# Altium PCB PCB2.PcbDoc
Units mm, origin at the board's own origin, x right, y up, seen from the top; angles counter-clockwise.
Board outline 31.8 x 39 mm, 2 copper layers (Top Layer, Bottom Layer); 74 components, 60 nets, 229 pads, 13 vias.
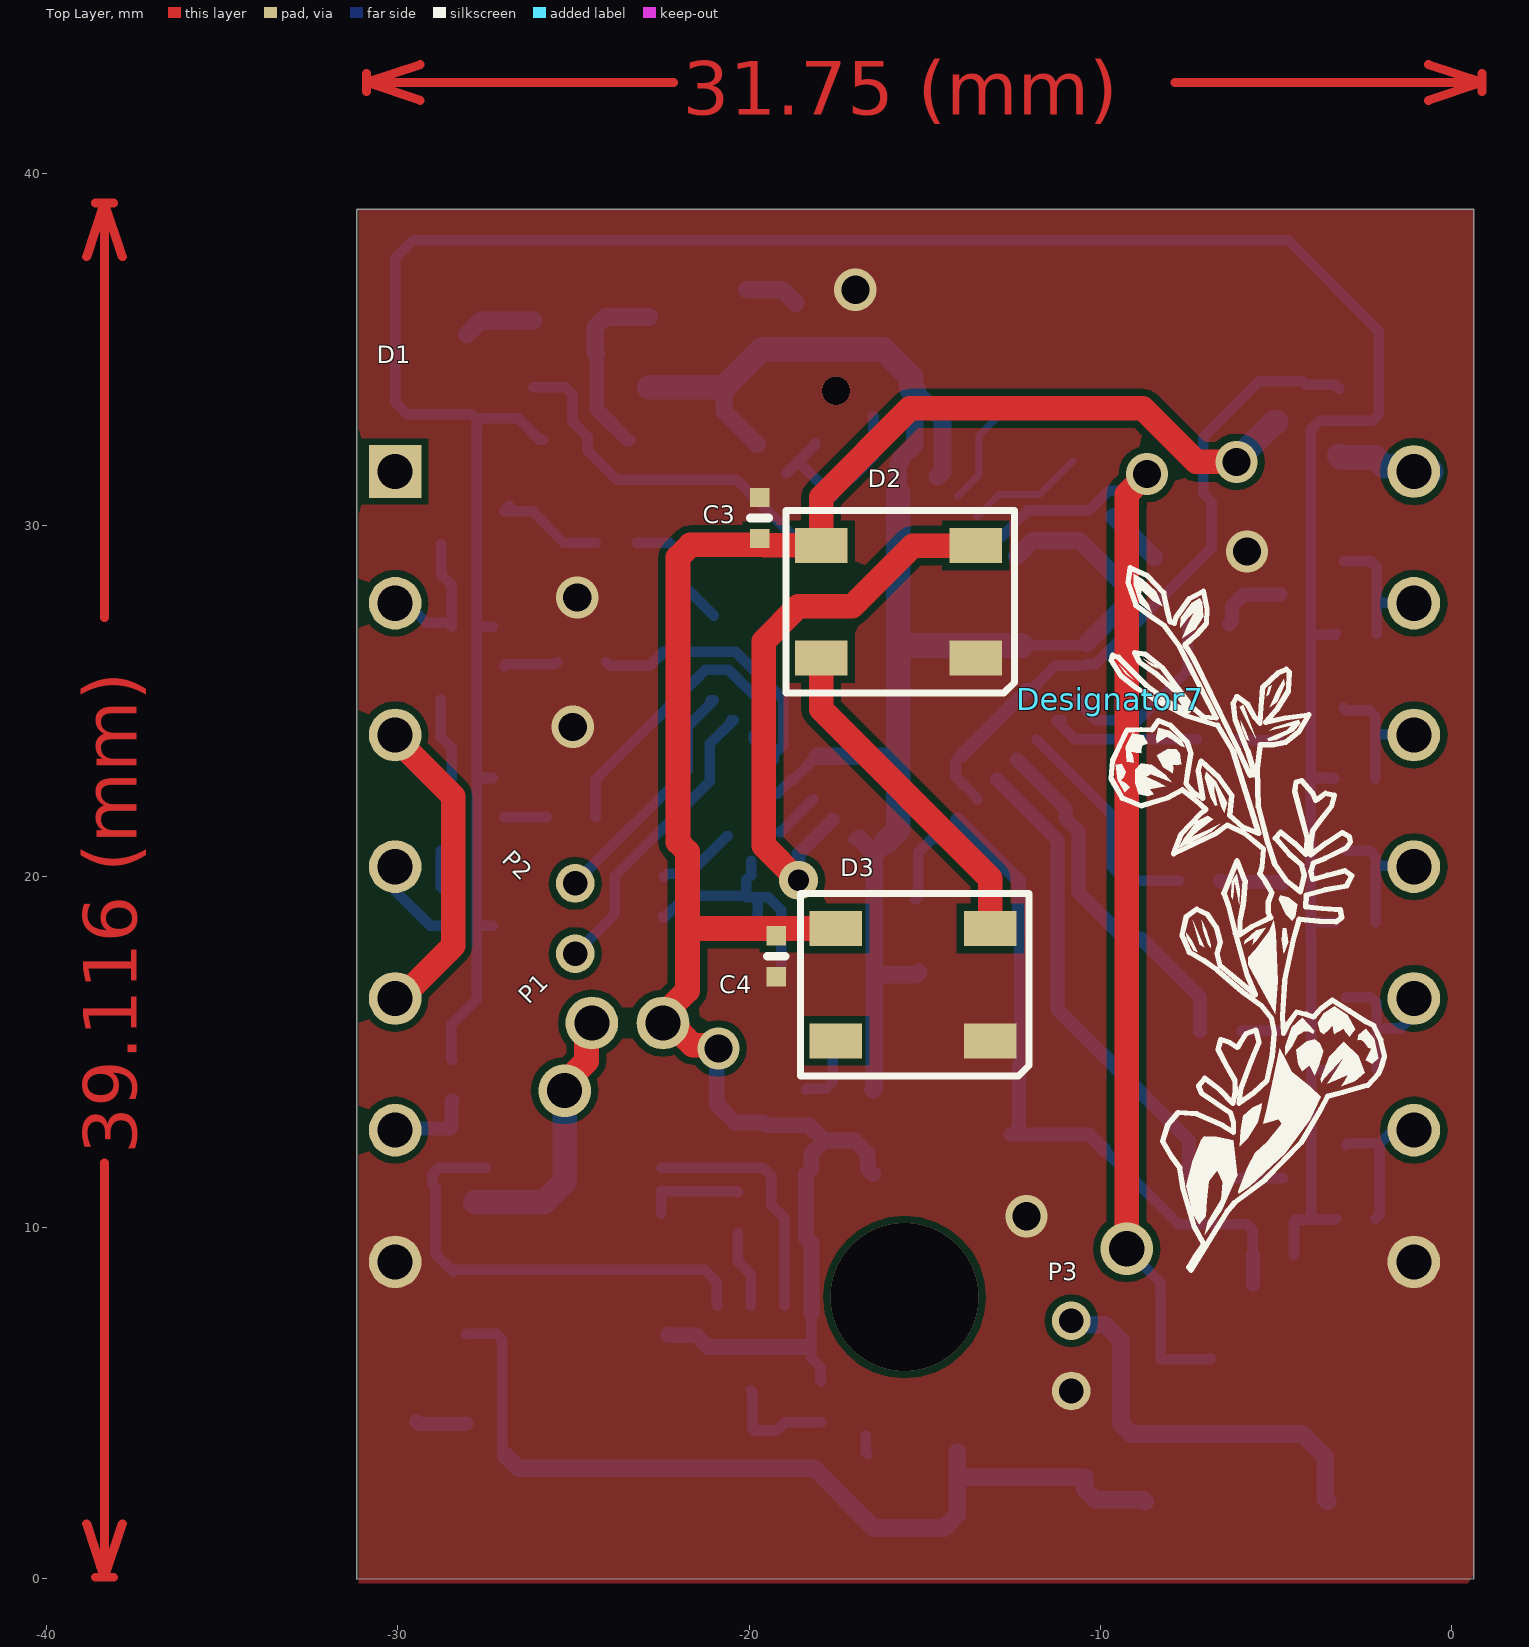
[diagram p0: Top Layer view]
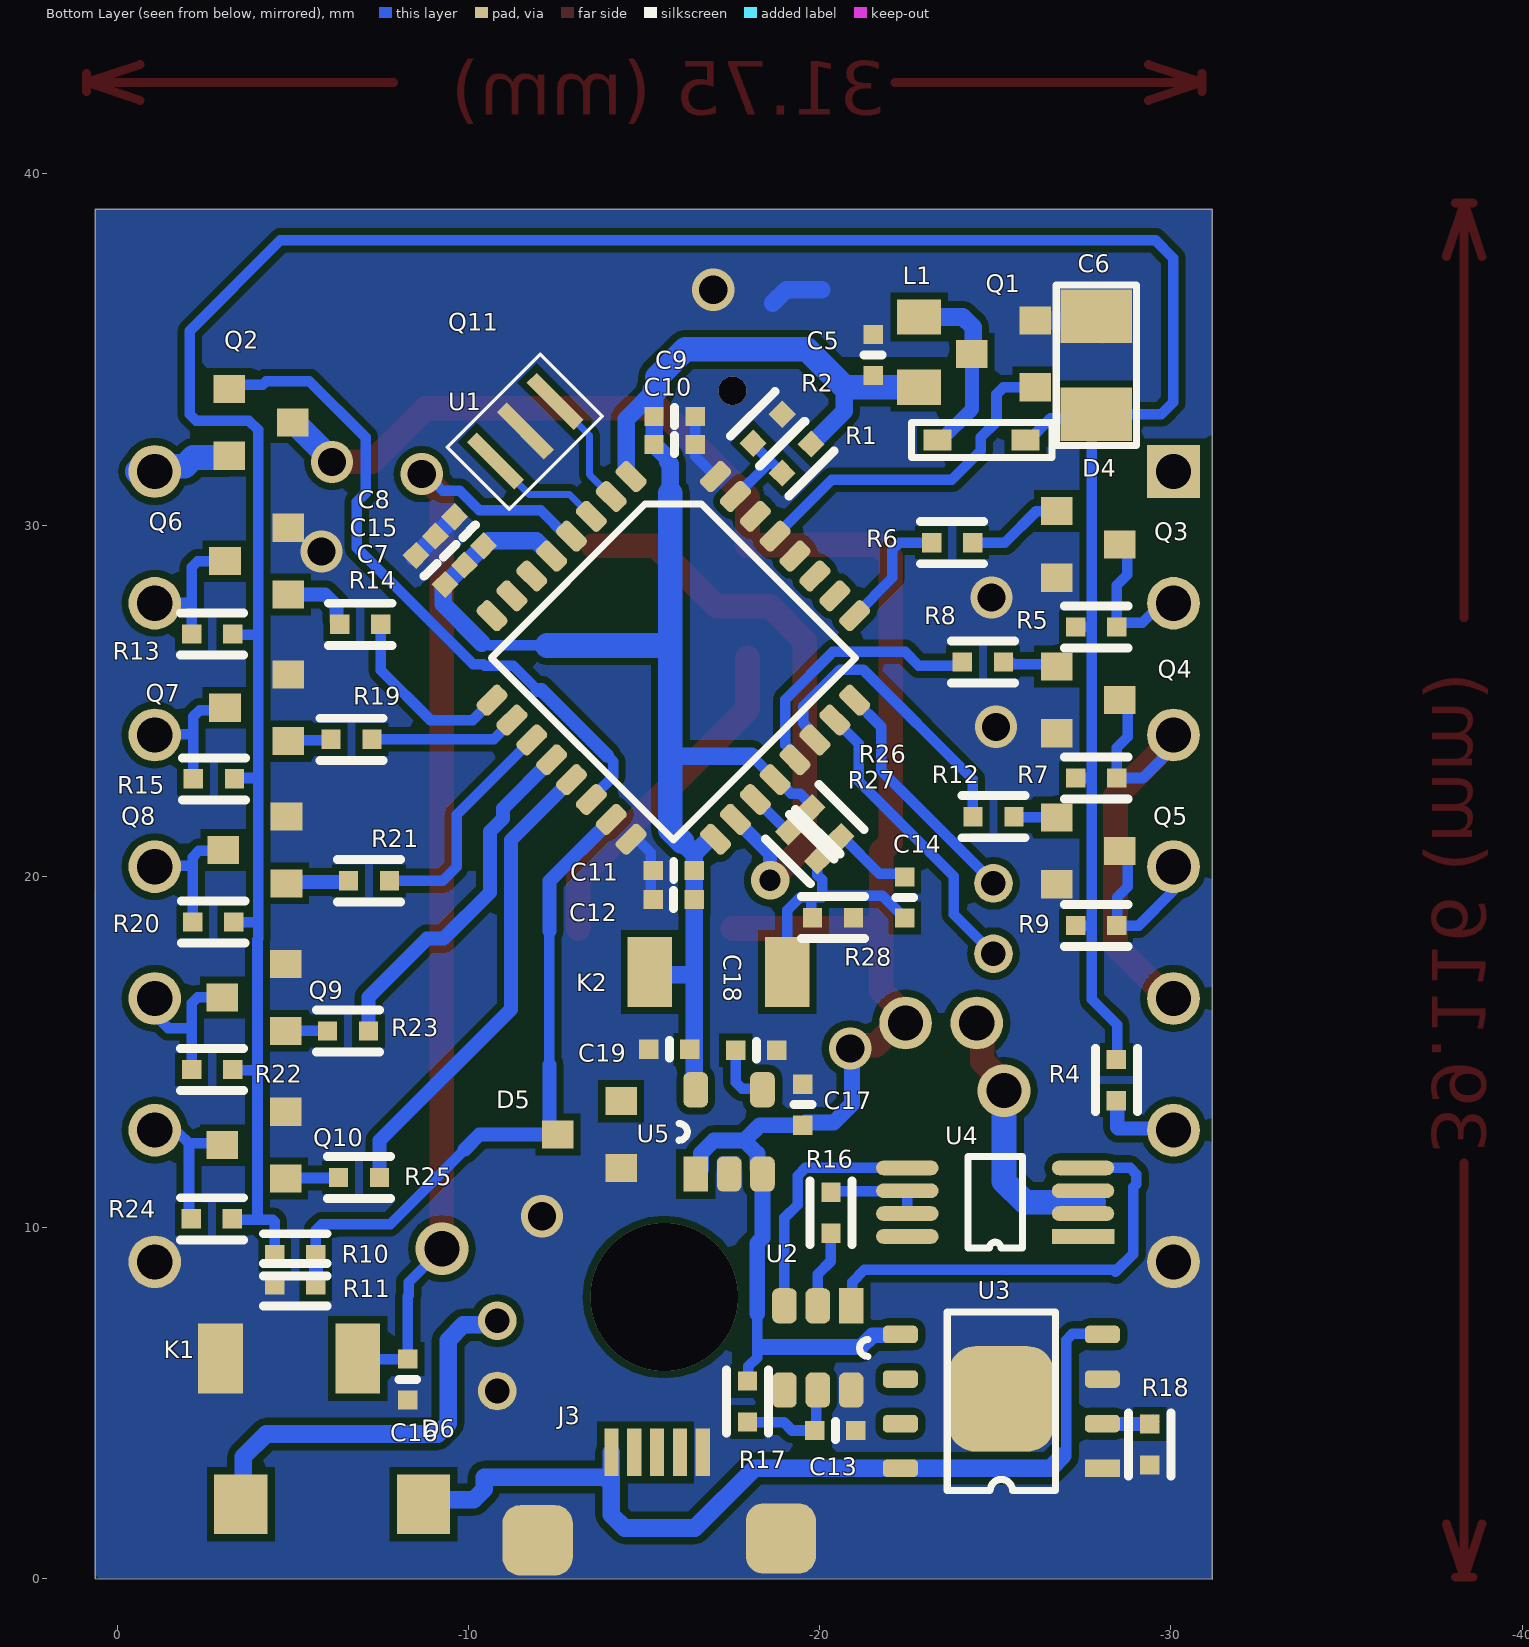
[diagram p1: Bottom Layer view, seen from below]
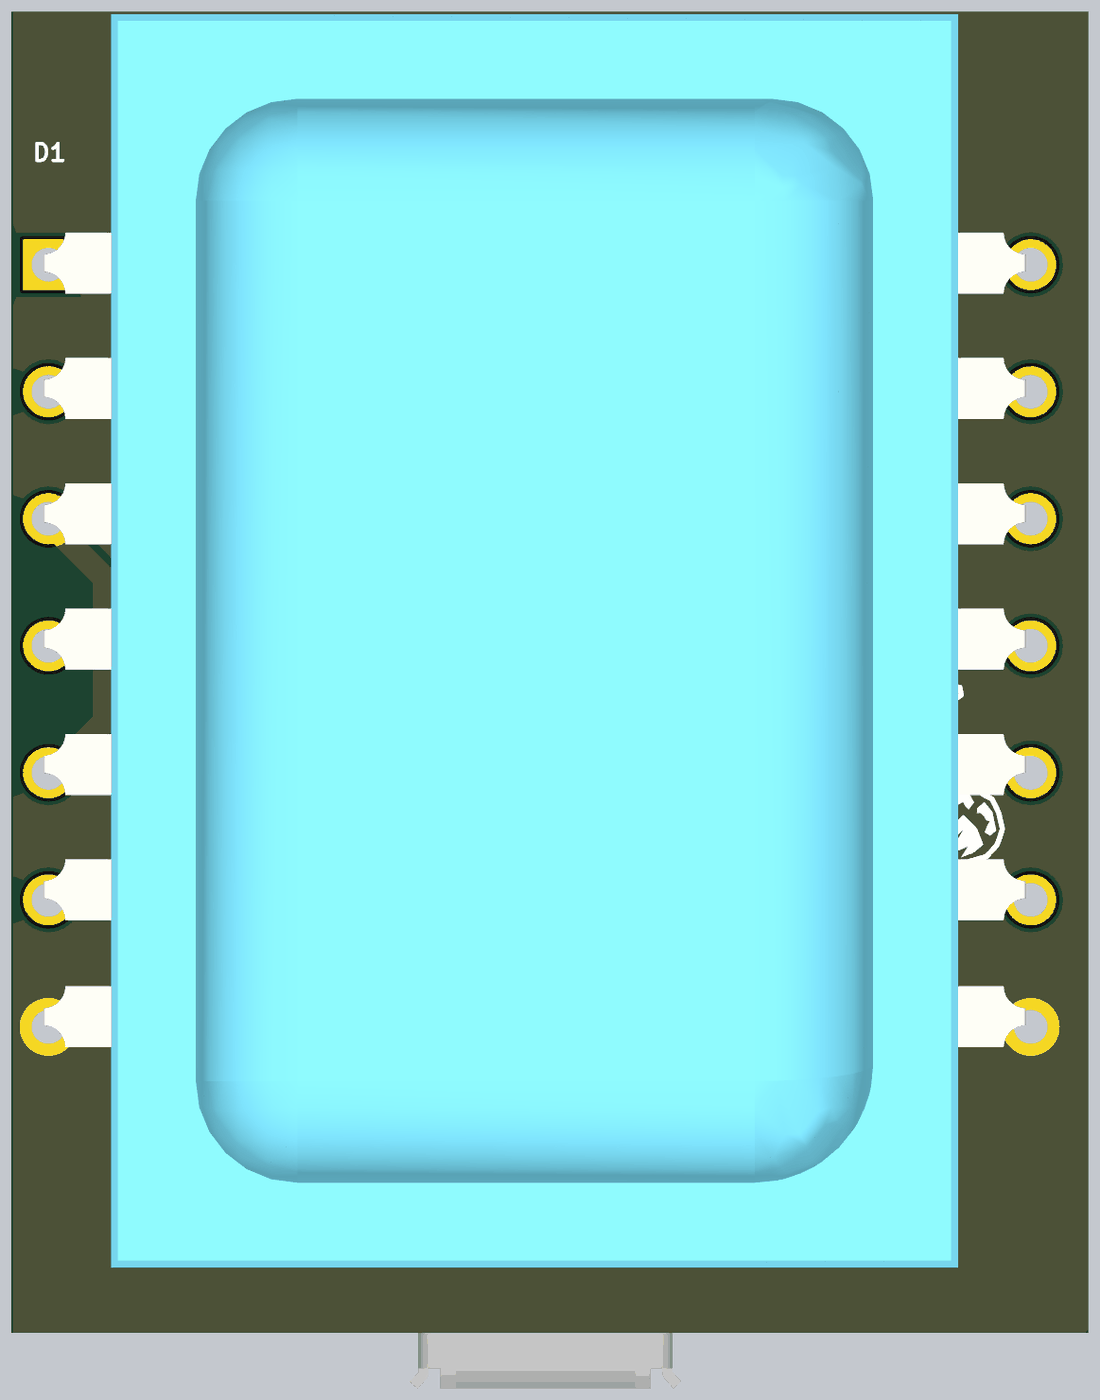
[diagram p2: 3D render of the assembled board from above, using the file's embedded part models]
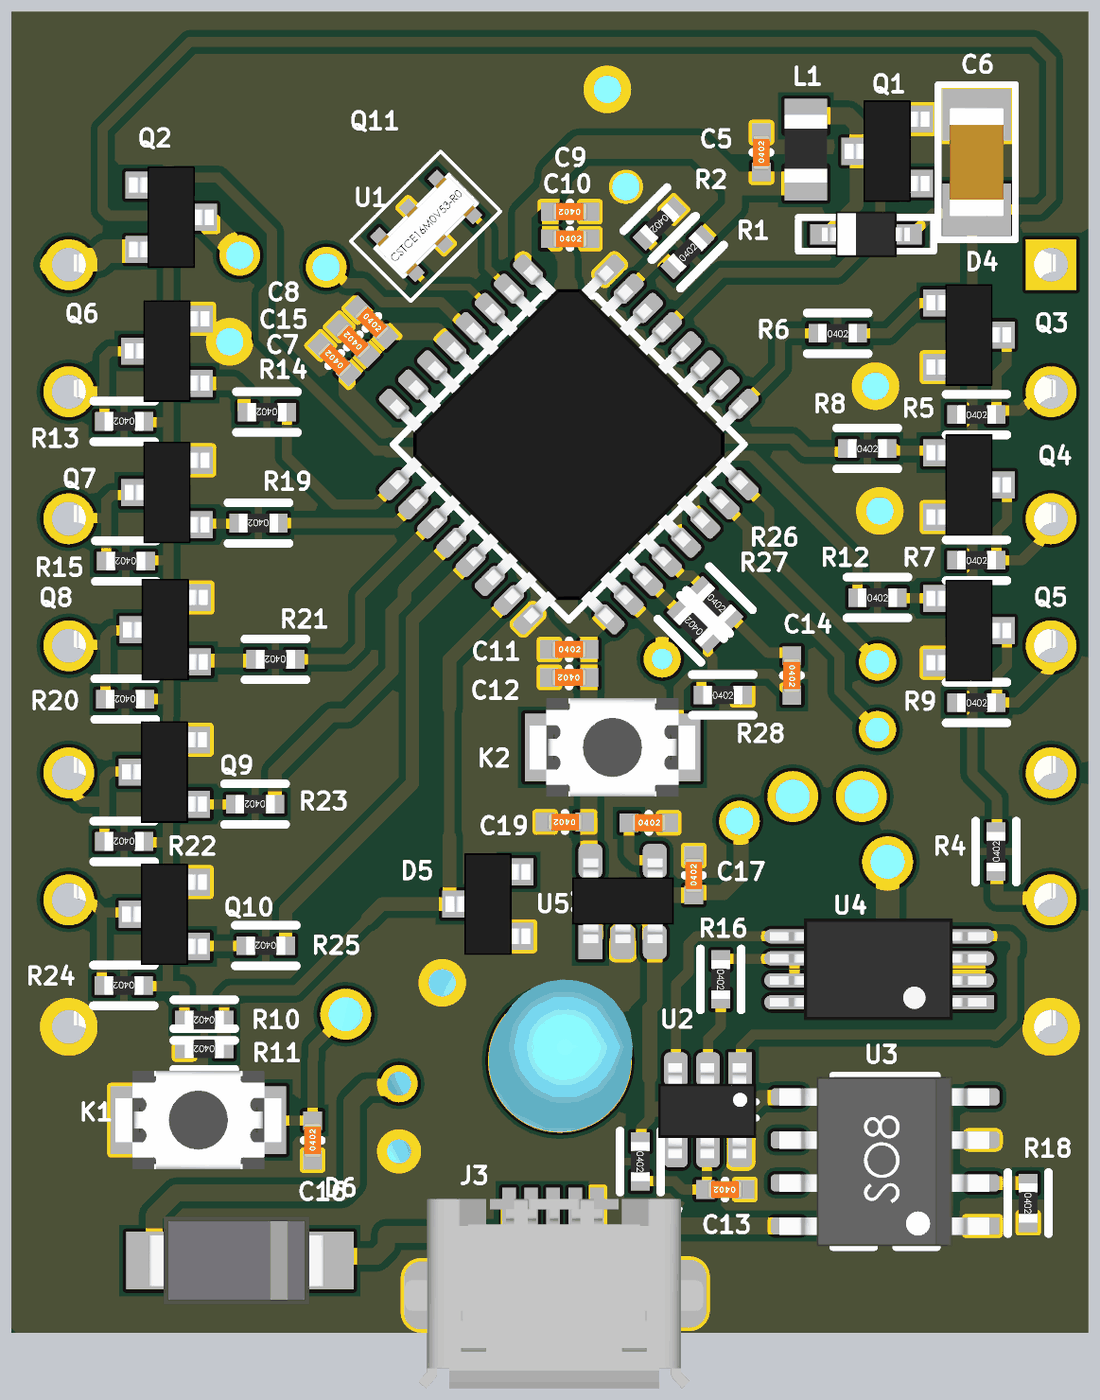
[diagram p3: 3D render of the assembled board from below, using the file's embedded part models]

## Layer stack, top to bottom
Top Solder: solder mask 0.0102, Solder Resist, Dk 3.5
Top Layer: signal copper 0.0356
Dielectric 1: dielectric 0.32, FR-4, Dk 4.8
Bottom Layer: signal copper 0.0356
Bottom Solder: solder mask 0.0102, Solder Resist, Dk 3.5

## Board outline
-31.175,1.619 -31.175,38.992 0.625,38.992 0.625,0 -31.175,-0.008

## Design rules (kind name [scope] priority, off if disabled: settings)
Clearance [All] p1: gap=0.2 ignorepadtopadclearanceinfootprint=FALSE
PolygonConnect 123 [All] p1: connectstyle=Direct reliefconductorwidth=0.254 reliefentries=4 polygonreliefangle="90 Angle" airgapwidth=0.254
PolygonConnect PolygonConnect_1 [All] p2: connectstyle=Relief reliefconductorwidth=0.254 reliefentries=4 polygonreliefangle="90 Angle" airgapwidth=0.254
RoutingVias [All] p1: holewidth=0.711 width=1.27 viastyle="Through Hole" minholewidth=0.711 minwidth=1.27 maxholewidth=0.711 maxwidth=1.27
SolderMaskExpansion [All] p1: expansion=0.102 istentingtop=FALSE
Width [All] p1: maxlimit=0.7 minlimit=0.152 preferedwidth=0.2 toplayer_minwidth=0.152 minimp=50.000000 maximp=50.000000 favimp=50.000000
30 further rules are at their usual default settings.

## Components (designator, comment, footprint, x,y, rotation, side; value= is the part's Value field where it differs from the comment)
C3 "C" SMD-0402C -19.7,30.2 r180 top
C4 "C" SMD-0402C -19.225,17.725 r180 top
C5 "1uF" SMD-0402C -21.525,34.841 r180 bottom
C6 "1uF" SMD-1206C -27.88,34.552 r0 bottom
C7 "10nF" SMD-0402C -10.025,29.825 r315 bottom
C8 "1uF" SMD-0402C -9.475,29.275 r135 bottom
C9 "100n" SMD-0402C -15.873,33.092 r90 bottom
C10 "1uF" SMD-0402C -15.873,32.292 r270 bottom
C11 "100n" SMD-0402C -15.848,20.167 r270 bottom
C12 "1uF" SMD-0402C -15.848,19.342 r90 bottom
C13 "0.1u" SMD-0402C -20.45,4.225 r90 bottom
C14 "100nF" SMD-0402C -22.425,19.4 r0 bottom
C15 "100pF" SMD-0402C -8.925,28.725 r135 bottom
C16 "100nF" SMD-0402C -8.275,5.675 r180 bottom
C17 "1uF" SMD-0402C -19.525,13.5 r180 bottom
C18 "10nF" SMD-0402C -18.2,15.05 r270 bottom
C19 "2.2uF" SMD-0402C -15.725,15.075 r90 bottom
D1 "ILC" ILC_1 -30.075,31.525 r0 top locked
D2 "WS2812b" WS2812B -17.948,29.417 r0 top
D3 "WS2812b" WS2812B -17.532,18.516 r0 top
D4 "S4" S4 -24.612,32.423 r180 bottom
D5 "Zener Diode" 2N7002 -13.45,12.575 r180 bottom
D6 "schottky" DO-214AC -6.125,2.125 r180 bottom
Designator7 "Comment" flowers -9.725,25.05 r270 top
J3 "MicroUSB" "MICRO USB" -14.075,3.6 r90 bottom
K1 "KEY" KEY -4.9,6.275 r0 bottom
K2 "KEY" KEY -17.125,17.275 r180 bottom
L1 "20uH" L_0805 -22.837,34.923 r90 bottom
P1 "Header 2" 2PIN_BATTARERY -24.375,15.825 r90 top
P2 "Header 2" 2PIN_CONNECTOR -24.95,17.8 r90 top
P3 "COIL" 2PIN_CONNECTOR -10.825,5.35 r90 top
Q1 "2n7002" 2N7002 -25.237,34.798 r180 bottom
Q2 "2n7002" 2N7002 -4.1,33 r0 bottom
Q3 "2N7002" 2N7002 -27.65,29.525 r0 bottom
Q4 "2N7002" 2N7002 -27.65,25.1 r0 bottom
Q5 "2N7002" 2N7002 -27.65,20.8 r0 bottom
Q6 "2N7002" 2N7002 -3.975,28.9 r180 bottom
Q7 "2N7002" 2N7002 -3.975,24.725 r180 bottom
Q8 "2N7002" 2N7002 -3.925,20.675 r180 bottom
Q9 "2N7002" 2N7002 -3.9,16.475 r180 bottom
Q10 "2N7002" 2N7002 -3.9,12.275 r180 bottom
Q11 "16MHz" "MURATA CERAMIC RESONATOR" -12.049,33.099 r315 bottom
R1 "0" SMD-0402-RES -19.348,31.892 r225 bottom
R2 "0" SMD-0402-RES -18.523,32.742 r45 bottom
R4 "1K" SMD-0402-RES -28.45,14.2 r180 bottom
R5 "200K" SMD-0402-RES -27.875,27.1 r270 bottom
R6 "150" SMD-0402-RES -23.775,29.5 r270 bottom
R7 "200K" SMD-0402-RES -27.875,22.8 r270 bottom
R8 "150" SMD-0402-RES -24.65,26.1 r270 bottom
R9 "200K" SMD-0402-RES -27.875,18.6 r270 bottom
R10 "200K" SMD-0402-RES -5.075,9.225 r90 bottom
R11 "20K" SMD-0402-RES -5.075,8.375 r90 bottom
R12 "150" SMD-0402-RES -24.95,21.7 r270 bottom
R13 "200K" SMD-0402-RES -2.709,26.9 r90 bottom
R14 "150" SMD-0402-RES -6.925,27.175 r90 bottom
R15 "200K" SMD-0402-RES -2.759,22.775 r90 bottom
R16 "1K" SMD-0402-RES -20.325,10.425 r0 bottom
R17 "100" SMD-0402-RES -17.95,5.05 r0 bottom
R18 "33K" SMD-0402-RES -29.4,3.825 r0 bottom
R19 "150" SMD-0402-RES -6.675,23.9 r90 bottom
R20 "200K" SMD-0402-RES -2.741,18.7 r90 bottom
R21 "150" SMD-0402-RES -7.175,19.875 r90 bottom
R22 "200K" SMD-0402-RES -2.709,14.5 r90 bottom
R23 "150" SMD-0402-RES -6.575,15.6 r90 bottom
R24 "200K" SMD-0402-RES -2.7,10.25 r90 bottom
R25 "150" SMD-0402-RES -6.891,11.425 r90 bottom
R26 "100R" SMD-0402-RES -20.2,21.55 r315 bottom
R27 "330R" SMD-0402-RES -19.525,20.85 r135 bottom
R28 "220K" SMD-0402-RES -20.384,18.825 r270 bottom
U1 "STM32F030K6TX" LQFP-32 -14.423,31.592 r225 bottom locked
U2 "DW01-P" SOT-23-6 -20.9,7.775 r270 bottom
U3 "TP4056" ? -28.05,3.15 r0 bottom
U4 "ML8205A" TSSOP-8 -27.5,9.75 r0 bottom
U5 "LP2985" SOT-23-5 -16.375,7.875 r90 bottom

## Footprints (in the part's own frame and the unit in brackets; to place one, negate y for a bottom-side part, rotate by r counter-clockwise, add the part's x,y. Pads: shape width x height; smd on the part's side, far side on the other; paste and mask are expansions set on the pad)
2N7002 [mm]
  rect 0.9x0.8 smd: 1(0.9,-0.875) 2(0.9,1.025) 3(-0.9,0.075)
  body extent -1.25,-1.43 1.25,1.57, height 1.01
2PIN_BATTARERY [mm]
  round 1.5 hole 1: 1(0,0.1) 2(0,-1.925)
2PIN_CONNECTOR [mm]
  round 1.1 hole 0.7: 1(0,0) 2(2,0)
DO-214AC [mm]
  rect 1.52x1.7 smd: A(-2.6,0) K(2.6,0)
  body extent -2.7,-1.3 2.5,1.3, height 2.42
flowers [mm]
  silkscreen extent -3.73,0.03 16.26,7.81
ILC_1 [mm]
  rect 1.5x1.5 hole 1: 1(0,0)
  round 1.5 hole 1: 2(0,-3.75) 3(0,-7.5) 4(0,-11.25) 5(0,-15) 6(0,-18.75) 7(0,-22.5) 8(29,-22.5) 9(29,-18.75) 10(29,-15) 11(29,-11.25) 12(29,-7.5) 13(29,-3.75) 14(29,0)
  body extent -0.15,-29.6 28.85,7.4, height 16.31
KEY [mm]
  rect 1.27x2 smd: 1(-1.955,0) 2(1.955,0)
  body extent -2.45,-1.45 2.45,1.45, height 2.01
L_0805 [mm]
  rect 1x1.25 smd: 1(-1,0) 2(1,0)
  body extent -0.97,-0.62 1.03,0.63, height 0.61
LQFP-32 [mm]
  rrect50% 0.9x0.5 smd: 1(0.3,0) 2(0.3,-0.8) 3(0.3,-1.6) 4(0.3,-2.4) 5(0.3,-3.2) 6(0.3,-4) 7(0.3,-4.8) 8(0.3,-5.6) 17(9.3,-5.6) 18(9.3,-4.8) 19(9.3,-4) 20(9.3,-3.2) 21(9.3,-2.4) 22(9.3,-1.6) 23(9.3,-0.8) 24(9.3,0)
  rrect50% 0.5x0.9 smd: 9(2,-7.3) 10(2.8,-7.3) 11(3.6,-7.3) 12(4.4,-7.3) 13(5.2,-7.3) 14(6,-7.3) 15(6.8,-7.3) 16(7.6,-7.3) 25(7.6,1.7) 26(6.8,1.7) 27(6,1.7) 28(5.2,1.7) 29(4.4,1.7) 30(3.6,1.7) 31(2.8,1.7) 32(2,1.7)
  silkscreen extent 1.14,-6.47 8.47,0.87, body extent 0.26,-7.34 9.34,1.74, height 1.39
"MICRO USB" [mm]
  rect 1.35x0.4 smd: 1(0,0) 2(0,-0.65) 3(0,-1.3) 4(0,-1.95) 5(0,-2.6)
  rrect50% 2x2 smd: 5(-2.5,2.1) 5(-2.45,-4.825)
  body extent -5.26,-5.73 0.34,3.07, height 2.76
"MURATA CERAMIC RESONATOR" [mm]
  rect 0.4x1.9 smd: 1(-0.6,0) 2(0.6,0) 3(1.8,0)
  silkscreen extent -1.25,-1.25 2.5,1.25, body extent -1,-0.65 2.2,0.65, height 0.91
S4 [mm]
  rect 0.8x0.6 smd: 1(-1.25,0) 2(1.25,0)
  silkscreen extent -2,-0.5 2,0.5, body extent -1.3,-0.67 1.3,0.68, height 1.1
SMD-0402-RES [mm]
  rect 0.55x0.55 smd: 1(0,0.584) 2(0,-0.584)
  silkscreen extent -0.6,-0.9 0.6,0.9, body extent -0.27,-0.57 0.28,0.58, height 0.41
SMD-0402C [mm]
  rect 0.55x0.55 smd: 1(0,0.584) 2(0,-0.584)
  silkscreen extent -0.25,0 0.25,0, body extent -0.25,-0.51 0.25,0.51, height 0.51
SMD-1206C [mil]
  rect 80x60 smd: 1(0,55) 2(0,-55)
  silkscreen extent -45,-90 45,90, body extent -31,-63 32,63, height 39
SOT-23-5 [mm]
  rect 1x0.7 smd: 1(3.65,-0.1)
  rrect50% 1x0.7 smd: 2(3.65,-1.05) 3(3.65,-2) 4(6.05,-2) 5(6.05,-0.1)
  silkscreen extent 4.61,0.14 5.09,0.38, body extent 3.62,-2.56 6.12,0.44, height 1.01
SOT-23-6 [mm]
  rect 1x0.7 smd: 1(0,0)
  rrect50% 1x0.7 smd: 2(0,-0.95) 3(0,-1.9) 4(2.4,-1.9) 5(2.4,-0.95) 6(2.4,0)
  silkscreen extent 0.96,0.24 1.44,0.48, body extent -0.18,-2.42 2.62,0.48, height 1.45
TSSOP-8 [mm]
  rect 1.78x0.42 smd: 1(0,0)
  oval 1.78x0.42 smd: 2(0,-0.65) 3(0,-1.3) 4(0,-1.95) 5(5,-1.95) 6(5,-1.3) 7(5,-0.65) 8(5,0)
  silkscreen extent 1.72,-2.28 3.28,0.33, body extent -0.68,-2.47 5.72,0.53, height 1.21
WS2812B [mm]
  rect 1.5x1 smd: 1(0,0) 2(0,-3.2) 3(4.4,-3.2) 4(4.4,0)
  silkscreen extent -1,-4.2 5.5,1, body extent -0.5,-4.1 4.9,0.9, height 1.58
? [mm]
  rect 1x0.5 smd: 1(0,0)
  rrect50% 3x3 smd: 1(2.875,-1.975)
  rrect50% 1x0.5 smd: 2(0,-1.27) 3(0,-2.54) 4(0,-3.81) 5(5.75,-3.81) 6(5.75,-2.54) 7(5.75,-1.27) 8(5.75,0)
  silkscreen extent 1.33,-4.44 4.42,0.64, body extent -0.2,-4.4 6,0.6, height 1.66

## Part data
C3 C4 C5 C6 C7 C8 C9 C10 C11 C12 C13 C14 C15 C16 C17 C18 C19: library part С
D1: library part ILC-1.9
D4: library part Diode
D5: library part BZX84
D6: library part SS14
J3: library part Micro_USB_female
L1: library part L
P1 P2: "Header, 2-Pin", LatestRevisionDate=17-Jul-2002, LatestRevisionNote="Re-released for DXP Platform.", Publisher="Altium Limited"
P3: library part "Header 2", "Header, 2-Pin", LatestRevisionDate=17-Jul-2002, LatestRevisionNote="Re-released for DXP Platform.", Publisher="Altium Limited"
Q3 Q4 Q5 Q6 Q7 Q8 Q9 Q10: library part 2n7002
Q11: library part Crystal_3
R1 R2 R4 R5 R6 R7 R8 R9 R10 R11 R12 R13 R14 R15 R16 R17 R18 R19 R20 R21 R22 R23 R24 R25 R26 R27 R28: library part R
U2: "The DW01-P battery protection IC is designed to / protect lithium-ion/polymer battery from damage or / degrading the lifetime due to overcharge, / overdischarge, and/or overcurrent for one-cell / lithium-ion/polymer battery powered systems, such as / cellular phones."
U3: "1A Standalone Linear Li-lon Battery Charger with Thermal / Regulation in SOP-8"
U4: "The ML8205A uses advanced trench technology to"

## Via types
v1: diameter 1.2, hole 0.8, Top Layer to Bottom Layer, 8 vias
v2: diameter 1.5, hole 1, Top Layer to Bottom Layer, 2 vias
v3: diameter 0.8, hole 0.8, Top Layer to Bottom Layer, 1 vias
v4: diameter 1.1, hole 0.6, Top Layer to Bottom Layer, 1 vias
v5: diameter 4.2, hole 4.2, Top Layer to Bottom Layer, 1 vias

## Nets (pads, with @x,y where several pads share a name; then routed paths per layer and width w, separated by ;. In a path a pad name is that pad's centre, name@x,y a point inside that pad or via, vN(x,y) a via of type N, cw(c..) or ccw(c..) an arc to the next point about the centre after c; other vN are vias at no path point)
20V: C6.1 D4.2 R4.1 R5.2 R7.2 R9.2 R10.1 R13.2 R15.2 R20.2 R22.2 R24.2 | length 89.9
  Bottom Layer w0.3: R4.1 -28.475,14.809 -28.475,15.775 -27.75,16.5 -27.75,18.6 ; C6.1@-27.677,32.952 -27.592,33.037 -26.575,33.037 -25.962,32.423 D4.2 ; R9.2 -27.75,18.6 ; R7.2 -27.75,22.8 ; R5.2 -27.75,27.1 ; R10.1 -4.487,9.228 -4.487,10.172 -4.434,10.225 -4,10.225 ; -4.016,18.75 -4.016,22.8 ; R15.2 -3.368,22.8 -4.016,22.8 ; R20.2 -4.016,18.7 -4.016,18.234 -4.025,18.225 -4,18.2 -4,14.475 ; R22.2 -3.318,14.475 -4,14.475 ; R13.2 -3.318,26.875 -4.016,26.875 ; R24.2 -3.309,10.225 -4,10.225 ; -27.75,18.6 -27.75,22.8 ; -27.75,22.8 -27.75,27.1 ; -27.75,27.1 -27.75,33.025 C6.1 -29.729,33.155 -30.074,33.5 -30.074,37.592 -29.563,38.103 -4.653,38.103 -2.075,35.525 -2.075,33.151 -2.251,32.975 -3.75,32.975 -4.016,32.709 -4.016,26.875 ; -4.016,22.8 -4.016,26.875 ; -4,10.225 -4,14.475
"20v step": Q1.1 U1.29 | length 9.8
  Bottom Layer w0.3: Q1.1 -25.237,33.923 -25.037,33.723 -25.037,32.948 -24.587,32.498 -24.587,32.111 -23.768,31.293 -20.346,31.293 U1.29
20V_control: D5.3 R10.2 R11.2 U1.15 | length 21.1
  Bottom Layer w0.3: D5.3@-12.311,12.85 -12.311,18.45 ; -9.9,12.225 -7.775,10.1 -5.835,10.1 -5.659,9.924 R10.2
  Bottom Layer w0.4: U1.15 -12.311,19.863 -12.311,18.45 ; D5.3 D5.3@-12.511,12.65 ; -12.311,14.636 -12.311,12.85 D5.3@-12.511,12.65 ; -9.9,12.225 -10.325,12.65 D5.3@-12.511,12.65 ; R11.2 R10.2
A: D1.2 Q3.3 R5.1 | length 4.3
  Bottom Layer w0.3: D1.2@-30.044,27.661 -30.048,27.657 -29.622,27.657 -29.184,27.219 -28.578,27.219 R5.1 -28.459,28.284 -28.759,28.584 -28.759,29.434 Q3.3@-28.775,29.45
a_in: R6.2 U1.25 | length 3.5
  Bottom Layer w0.3: R6.2 -22.275,29.5 -22.075,29.3 -22.075,28.496 U1.25
B: D1.3 D1.5 Q4.3 R7.1 | length 12.7
  Top Layer w0.7: D1.5@-30.048,16.407 -28.425,18.03 -28.425,22.284 D1.3@-30.048,23.907
  Bottom Layer w0.3: -29.748,23.342 -29.206,22.8 R7.1 -28.459,23.664 -28.775,23.98 Q4.3@-28.775,25.025
B+: C3.1 C4.2 C17.2 D2.1 D3.1 P1.2 Q2.3 R17.2 U3.5 U5.1 U5.3 | length 59.2
  Top Layer w0.7: v1(-20.875,15.1) -20.971,15.196 -21.604,15.196 -22.234,15.825 P1.2 -22.45,16.041 -21.753,16.738 -21.753,18.618 ; D3.1 -21.651,18.516 -21.753,18.618 ; v1(-6.125,31.8) -7.264,31.8 -8.789,33.325 -15.418,33.325 -17.948,30.795 D2.1 -17.959,29.428 -19.573,29.428 -19.584,29.439 -21.667,29.439 -22.022,29.083 -22.022,20.966 -21.753,20.697 -21.753,18.618
  Bottom Layer w0.2: -18.391,6.6 -18.225,6.434
  Bottom Layer w0.3: -18.225,7.55 -18.225,6.434 -18.225,6.3 -17.975,6.05 -17.975,5.659 R17.2
  Bottom Layer w0.45: U3.5 -22.275,6.935 -21.511,6.935 -21.176,6.6 -18.391,6.6 ; v1(-20.875,15.1) -20.92,15.055 -20.92,13.511 -20.4,12.991 -19.6,12.991 C17.2 -18.297,12.916 -17.861,12.479 ; -18.225,7.55 -18.225,9.556 -18.375,9.706 U5.3 -18.229,11.671 -18.229,12.111 -17.861,12.479 ; U5.1 -16.621,11.671 -16.621,12.111 -16.989,12.479 -17.861,12.479
  Bottom Layer w0.7: v1(-6.125,31.8) -6.125,31.85 -5.05,32.925 Q2.3
B-: P1.1 U4.2 U4.3 | length 7.9
  Top Layer w0.7: v2@-25.25,13.575 -25.25,14.116 -24.628,14.738 -24.628,15.672 P1.1
  Bottom Layer w0.7: -27.8,10.725 -25.85,10.725 -25.25,11.325 v2(-25.25,13.9)
b_in: R8.2 U1.21 | length 7.6
  Bottom Layer w0.3: R8.2 -23.966,26 -22.825,26 -22.437,26.388 -20.38,26.388 -19.021,25.029 -19.021,23.742 -19.302,23.46 U1.21
BOOT: R1.2 R2.1 U1.31 | length 2.6
  Bottom Layer w0.3: R1.2 -18.523,31.892 ; R2.1 -18.11,32.304 -18.523,31.892 ; U1.31 -18.523,31.732 -18.523,31.892
C: D1.4 Q5.3 R9.1 | length 4.3
  Bottom Layer w0.3: D1.4@-30.073,19.592 -29.081,18.6 R9.1 -28.475,18.616 -28.475,19.4 -28.775,19.7 Q5.3@-28.775,20.725
c_in: R12.2 U1.22 | length 8.7
  Bottom Layer w0.3: R12.2 -24.366,22.759 -21.237,25.888 -20.587,25.888 -19.542,24.843 -19.542,24.352 -19.868,24.026 U1.22
CHRG: U3.7
D: D1.13 Q6.3 R13.1 | length 4.5
  Bottom Layer w0.3: Q6.3 -2.301,28.975 -2.125,28.799 -2.125,27.85 ; R13.1 -2.125,27.85 ; D1.13@-0.575,27.785 -2.06,27.785 -2.125,27.85
d_in: R14.2 U1.9 | length 5.6
  Bottom Layer w0.3: U1.9@-10.434,24.916 -10.534,25.016 U1.9 -10.676,25.001 -10.125,24.45 -8.925,24.45 -7.509,25.866 R14.2
E: D1.12 Q7.3 R15.1 | length 4.4
  Bottom Layer w0.3: Q7.3 -3,24.725 -2.35,24.725 -2.175,24.55 -2.175,24.025 ; R15.1 -2.175,24.025 ; D1.12@-0.575,24.045 -2.155,24.045 -2.175,24.025
e_in: R19.2 U1.10 | length 4.4
  Bottom Layer w0.3: U1.10@-11.1,24.45 U1.10 -11.241,24.416 -10.725,23.9 R19.2
F: D1.11 Q8.3 R20.1 | length 4.4
  Bottom Layer w0.3: Q8.3 -3,20.725 -2.332,20.725 -2.157,20.549 -2.157,20.25 ; R20.1 -2.157,20.25 ; D1.11@-0.575,20.305 -2.102,20.305 -2.157,20.25
f_in: R21.2 U1.11 | length 6.6
  Bottom Layer w0.3: U1.11 -9.675,21.753 -9.675,20.275 -9.275,19.875 R21.2
G: D1.10 Q9.3 R22.1 | length 4.8
  Bottom Layer w0.3: Q9.3 -2.992,16.557 -2.3,16.557 -2.125,16.382 -2.125,15.675 ; R22.1 -2.125,15.675 ; D1.10@-0.575,16.565 -1.465,15.675 -2.125,15.675
g_in: R23.2 U1.12 | length 10.2
  Bottom Layer w0.4: U1.12 -10.989,21.936 -10.989,21.653 -10.617,21.281 -10.617,19.542 -9.3,18.225 -8.825,18.225 -7.159,16.559 R23.2
GND: C3.2 C4.1 C5.1 C6.2 C7.2 C8.1 C9.2 C10.1 C11.2 C12.1 C13.2 C15.1 C16.2 C17.1 C18.1 C19.1 D1.7 D1.8 D2.3 D3.3 D5.1 J3.5 K1.2 P3.1 Q1.2 Q3.2 Q4.2 Q5.2 Q6.2 Q7.2 Q8.2 Q9.2 Q10.2 Q11.2 R2.2 R11.1 R18.1 R28.1 U1.16 U1.32 U2.6 U3.1 U3.3 U5.2 | length 9.9
  Bottom Layer w0.3: U1.32 -16.457,31.962 C9.2 C9.2@-16.473,33.108 ; J3.5@-16.675,4.075 -16.675,3.6 J3.5@-16.629,3.554 ; C12.1 -15.19,19.417 -15.19,20.676 -14.793,21.072 -14.651,21.072 U1.16
  Bottom Layer w0.5: C6.2@-28.037,35.42 -27.634,35.823 Q1.2 ; -20.066,36.703 -19.05,36.703 -18.669,36.322 ; C7.2 C15.1@-8.462,29.088
  other v1: -12.1,10.325 -25.019,24.257 -24.892,27.94 -5.825,29.25 -16.975,36.7
  other v3: -17.525,33.825
H: D1.9 Q10.3 R24.1 | length 4.8
  Bottom Layer w0.3: Q10.3 -2.95,12.4 -2.05,12.4 ; R24.1@-2.175,10.25 -2.05,10.375 -2.05,12.4 ; D1.9@-0.575,12.825 -0.725,12.675 -1.775,12.675 -2.05,12.4
h_in: R25.2 U1.13 | length 13.6
  Bottom Layer w0.4: U1.13 -11.217,21.033 -11.217,16.217 -7.475,12.475 R25.2
heat: Q2.1 U1.14 | length 19
  Bottom Layer w0.3: -13.945,23.444 -13.947,23.444 -14.123,23.268 -14.123,22.842 -13.504,22.223 U1.14 ; -11.975,25.3 -11.285,25.99 -10.475,25.99 -10.421,26.044 -10.137,26.044 -6.825,29.356 -6.825,30.659 -7.075,30.909 -7.075,32.5 -5.475,34.1 -4.25,34.1 -4.15,34 -3.325,34 Q2.1
  Bottom Layer w0.4: -13.945,23.444 -12.089,25.3 -11.975,25.3
HEAT_PIN: D1.14 Q2.2 | length 2.8
  Bottom Layer w0.7: Q2.2 -3.15,31.925 -2.175,31.925 -1.928,31.678 -0.728,31.678 D1.14@-0.575,31.525
MISO: U1.28
NetC13_1: C13.1 R17.1 U2.5 | length 3.2
  Bottom Layer w0.3: U2.5 -19.908,5.333 -19.908,4.267 C13.1 -19.216,4.225 -18.975,4.466 R17.1
NetC14_1: C14.1 K2.2 R27.2 R28.2 | length 7.3
  Bottom Layer w0.3: C14.1@-22.462,18.853 C14.1 -21.791,19.45 -20.116,19.45 -20.075,19.409 ; R27.2 -19.938,20.037 -20.075,19.9 -20.075,19.409 ; R28.2 -19.758,18.867 -19.758,19.4 ; K2.2 -19.08,19.03 -19.45,19.4 -19.758,19.4 ; -20.075,19.409 -20.066,19.4 -19.758,19.4
NetC14_2: C14.2 R26.1 | length 2.3
  Bottom Layer w0.3: C14.2 -22.334,20.075 -21.7,20.075 -20.638,21.137 R26.1
NetC18_2: C18.2 U5.4 | length 1.8
  Bottom Layer w0.3: U5.4 -18.35,13.95 -17.8,13.95 -17.616,14.134 C18.2
NetD1_6: D1.6 R4.2 | length 2.4
  Bottom Layer w0.4: D1.6@-30.075,12.825 -28.5,12.825 -28.475,12.85 -28.475,13.591 R4.2 R4.2@-28.446,13.612
NetD2_2: D2.2 D3.4 | length 9.7
  Top Layer w0.7: D2.2 -17.948,24.755 -13.132,19.939 D3.4
NetD4_1: D4.1 L1.2 Q1.3 | length 5.3
  Bottom Layer w0.3: D4.1@-23.462,32.423 D4.1
  Bottom Layer w0.4: Q1.3 -24.337,33.298 D4.1@-23.462,32.423
  Bottom Layer w0.5: Q1.3 -24.375,34.912 -24.375,35.631 -24.082,35.923 L1.2
NetD6_A: D6.A P3.2 | length 11.5
  Bottom Layer w0.5: P3.2 -10.71,7.235 -9.86,7.235 -9.425,6.8 -9.425,4.425 -9.125,4.125 -4.25,4.125 -3.6,3.475 -3.6,2.275 D6.A@-3.525,2.2
NetD6_K: D6.K J3.1 U3.4 U3.8 | length 26
  Bottom Layer w0.3: U3.4 -28.035,6.975 -27.201,6.975 -27.025,6.799 -27.025,3.6 -26.925,3.5
  Bottom Layer w0.5: -26.925,3.5 -26.575,3.15 U3.8 -18.15,3.15 -16.45,1.45 -14.45,1.45 -14.075,1.825 -14.075,2.713 ; J3.1 -14.075,2.9 -14.075,2.713 ; D6.K@-8.725,2.2 -8.775,2.25 -10.15,2.25 -10.45,2.55 -10.45,2.9 -12.169,2.9 -13.888,2.9 -14.075,2.713
NetQ3_1: Q3.1 R6.1 | length 3.2
  Bottom Layer w0.3: Q3.1@-26.825,30.55 -26.975,30.4 -26.825,30.4 -26.175,30.4 -25.275,29.5 R6.1
NetQ4_1: Q4.1 R8.1 | length 1.6
  Bottom Layer w0.3: Q4.1@-26.975,25.975 -26.913,26.038 -25.522,26.038 R8.1@-25.459,26.1
NetQ5_1: Q5.1 R12.1 | length 1.2
  Bottom Layer w0.3: Q5.1@-26.975,21.675 -26.963,21.688 -25.772,21.688 R12.1@-25.759,21.7
NetQ6_1: Q6.1 R14.1 | length 2.1
  Bottom Layer w0.4: R14.1 -6.25,27.266 -6.25,27.7 -5.925,28.025 Q6.1
NetQ7_1: Q7.1 R19.1 | length 1.2
  Bottom Layer w0.3: R19.1 -6.066,23.875 -4.9,23.875 Q7.1
NetQ8_1: Q8.1 R21.1 | length 1.8
  Bottom Layer w0.4: R21.1 -6.553,19.837 -4.862,19.837 Q8.1
NetQ9_1: Q9.1 R23.1 | length 1.2
  Bottom Layer w0.3: R23.1 Q9.1
NetQ10_1: Q10.1 R25.1 | length 1.5
  Bottom Layer w0.3: R25.1 -6.294,11.412 -4.812,11.412 Q10.1
NetR16_1: R16.1 U2.2 | length 2.2
  Bottom Layer w0.3: R16.1 -20.325,9.05 -19.95,8.675 U2.2
NetR16_2: R16.2 U4.6 U4.7 | length 2.9
  Bottom Layer w0.3: U4.7 U4.6 ; U4.6@-22.477,11.027 U4.6 ; R16.2 -20.345,11.03 -22.48,11.03 U4.6
NetR18_2: R18.2 U3.2 | length 1.5
  Bottom Layer w0.4: R18.2@-29.475,4.484 R18.2 -29.395,4.415 -28.055,4.415 U3.2
NetU2_1: U2.1 U4.4 | length 13
  Bottom Layer w0.3: U4.4 -28.84,11.7 -29.016,11.524 -29.016,11.241 -28.925,11.15 -28.925,9.25 -28.425,8.75 -28.375,8.8 -21.275,8.8 -20.925,8.45 -20.925,7.8 U2.1
NetU2_3: U2.3 U4.5 | length 7.1
  Bottom Layer w0.3: U4.5 -19.6,11.7 -19.375,11.475 -19.375,10.65 -19,10.275 U2.3
RCC_1: Q11.1 U1.2 | length 3.4
  Bottom Layer w0.2: U1.2 -13.45,31.434 -13.45,32.547 Q11.1
RCC_2: Q11.3 U1.3 | length 3.4
  Bottom Layer w0.2: U1.3 -12.886,30.867 -11.736,30.867 Q11.3
RST: C16.1 K1.1 U1.4 | length 32.5
  Top Layer w0.7: v2(-9.25,9.4) -9.25,30.875 v1(-8.675,31.45)
  Bottom Layer w0.3: U1.4 -12.797,29.683 -12.063,30.417 -10.317,30.417 -9.757,30.977 -9.269,30.977 v1@-8.55,31.696 ; v2(-9.25,9.4) -8.3,8.45 -8.3,8.075 -8.275,8.05 C16.1 -6.871,6.259 K1.1
SPI_MOSI: U1.27
SPI_SCK: U1.26
STDBY: U3.6
TCK/SWCLK: P2.2 U1.24 | length 6.9
  Bottom Layer w0.3: P2.2 -24.95,19.825 -21.75,23.025 -21.75,24.265 U1.24 U1.24@-21.085,25.016
TMS/SWDIO: P2.1 U1.23 | length 8.6
  Bottom Layer w0.3: P2.1 -23.825,18.925 -23.825,20 -21.114,22.711 -21.114,23.77 U1.23 U1.23@-20.501,24.45
User_key: R27.1 U1.19 | length 1.3
  Bottom Layer w0.3: R27.1 -19.104,21.263 -18.179,22.188 U1.19
VCC: C5.2 C7.1 C8.2 C9.1 C10.2 C11.1 C12.2 C15.2 C19.2 K2.1 L1.1 R1.1 R26.2 U1.1 U1.5 U1.17 U1.20 U5.5 | length 51.7
  Bottom Layer w0.3: R26.2 -19.787,22.012 -19.449,22.349 -19.201,22.349 -18.797,22.753 U1.20 -18.065,23.425 ; U1.17 -17.011,21.085 U1.17@-16.869,21.085 ; -16.457,15.825 -16.432,15.85 ; -12.246,26.573 -10.598,26.573
  Bottom Layer w0.5: -20.701,33.934 -20.701,33.245 R1.1 ; -18.065,23.425 -15.752,23.425 ; U1.17@-16.869,21.085 -16.432,20.648 C11.1 C12.2 -16.432,17.196 ; U5.5 -16.432,13.968 -16.432,15.85 -16.432,17.196 ; -15.752,30.9 -15.752,31.735 -15.678,31.808 -15.678,31.903 C10.2 C9.1 -15.314,33.117 -15.314,33.83 -14.494,33.01 -14.494,31.521 U1.1 ; K2.1 -15.249,17.196 -16.432,17.196 ; U1.5 -11.934,29.556 -10.582,29.556 -9.288,28.262 -9.288,27.741 -10.386,26.644
  Bottom Layer w0.55: -16.432,20.648 -16.092,20.989
  Bottom Layer w0.7: L1.1 -20.712,33.923 -20.701,33.934 -19.636,35 -16.175,35 -15.379,34.204 -15.379,33.895 -15.314,33.83 ; -16.092,20.989 -15.752,21.329 -15.752,23.425 -15.752,26.573 ; -15.752,30.9 -15.752,26.573 ; -12.246,26.573 -15.752,26.573
ws_control: D2.4 U1.18 | length 16.3
  Top Layer w0.7: v4(-18.593,19.888) -19.584,20.879 -19.584,26.695 -18.593,27.686 -17.069,27.686 -15.338,29.417 D2.4
  Bottom Layer w0.4: v4@-18.593,20.142 -18.593,20.634 U1.18
pads on no net: D1.1 D3.2 D5.2 J3.2 J3.3 J3.4 U1.6 U1.7 U1.8 U1.30 U2.4 U4.1 U4.8
copper on no net: | length 55.9
  Top Layer w0.254: -38.858,1.571 -38.35,0.047 ; -38.858,37.639 -38.35,39.163 ; -38.604,0.047 -38.096,0.047 ; -38.604,39.163 -38.096,39.163 ; -38.35,11.835 -38.35,0.047 ; -38.35,27.375 -38.35,39.163 ; -37.842,1.571 -38.35,0.047 ; -37.842,37.639 -38.35,39.163 ; -30.885,42.346 -30.885,42.854 ; -29.361,42.092 -30.885,42.6 ; -29.361,43.108 -30.885,42.6 ; -22.145,42.6 -30.885,42.6 ; -7.875,42.6 0.865,42.6 ; -0.659,42.092 0.865,42.6 ; -0.659,43.108 0.865,42.6 ; 0.865,42.346 0.865,42.854
  other v5: -15.575,8.025

## Polygon pours and split planes (outlines as drawn)
GND on Bottom Layer "Bottom Layer-GND" (solid, remove dead copper, pour order 4): 0.625,38.992 -31.175,38.992 -31.183,0 0.633,-0.008
GND on Top Layer "Top Layer-GND" (solid, remove dead copper, pour order 6): 0.635,38.989 -31.115,38.989 -31.115,-0.127 0.635,-0.127 0.762,0 0.635,0.127

## Other copper
Top Layer:
  pour cut-out: -30.226,18.161
  region: 0.025,39
  text "31.75 (mm)" at -21.891,41.686 h1.52
  text "39.116 (mm)" at -37.436,12.089 h1.52 r90
Bottom Layer:
  pour cut-out: -20.489,34.786 -23.633,34.786 -23.633,34.542 -23.575,34.6 -20.675,34.6
  pour cut-out: -20.475,34.8
  pour cut-out: -10.858,30.083 -8.675,27.9 -9.175,27.4 -9.275,27.4 -9.275,27.6 -11.375,29.7 -10.992,30.083

## Silkscreen, mask and mechanical layers (free items; w line width, h text height)
Mechanical 1:
  lines w0.2: -31.175,-0.008 -31.175,0.803 -31.175,1.619 -31.175,2.632 -31.175,7.103 -31.175,8.116 -31.175,8.931 -31.175,9.944 -31.175,29.04 -31.175,31.882 -31.175,36.353 -31.175,37.366 -31.175,38.181 -31.175,38.992 0.625,38.992 0.625,0 -31.175,-0.008